# Altium PCB FPGA_PCB.PcbDoc (part 1 of 2) (continued)
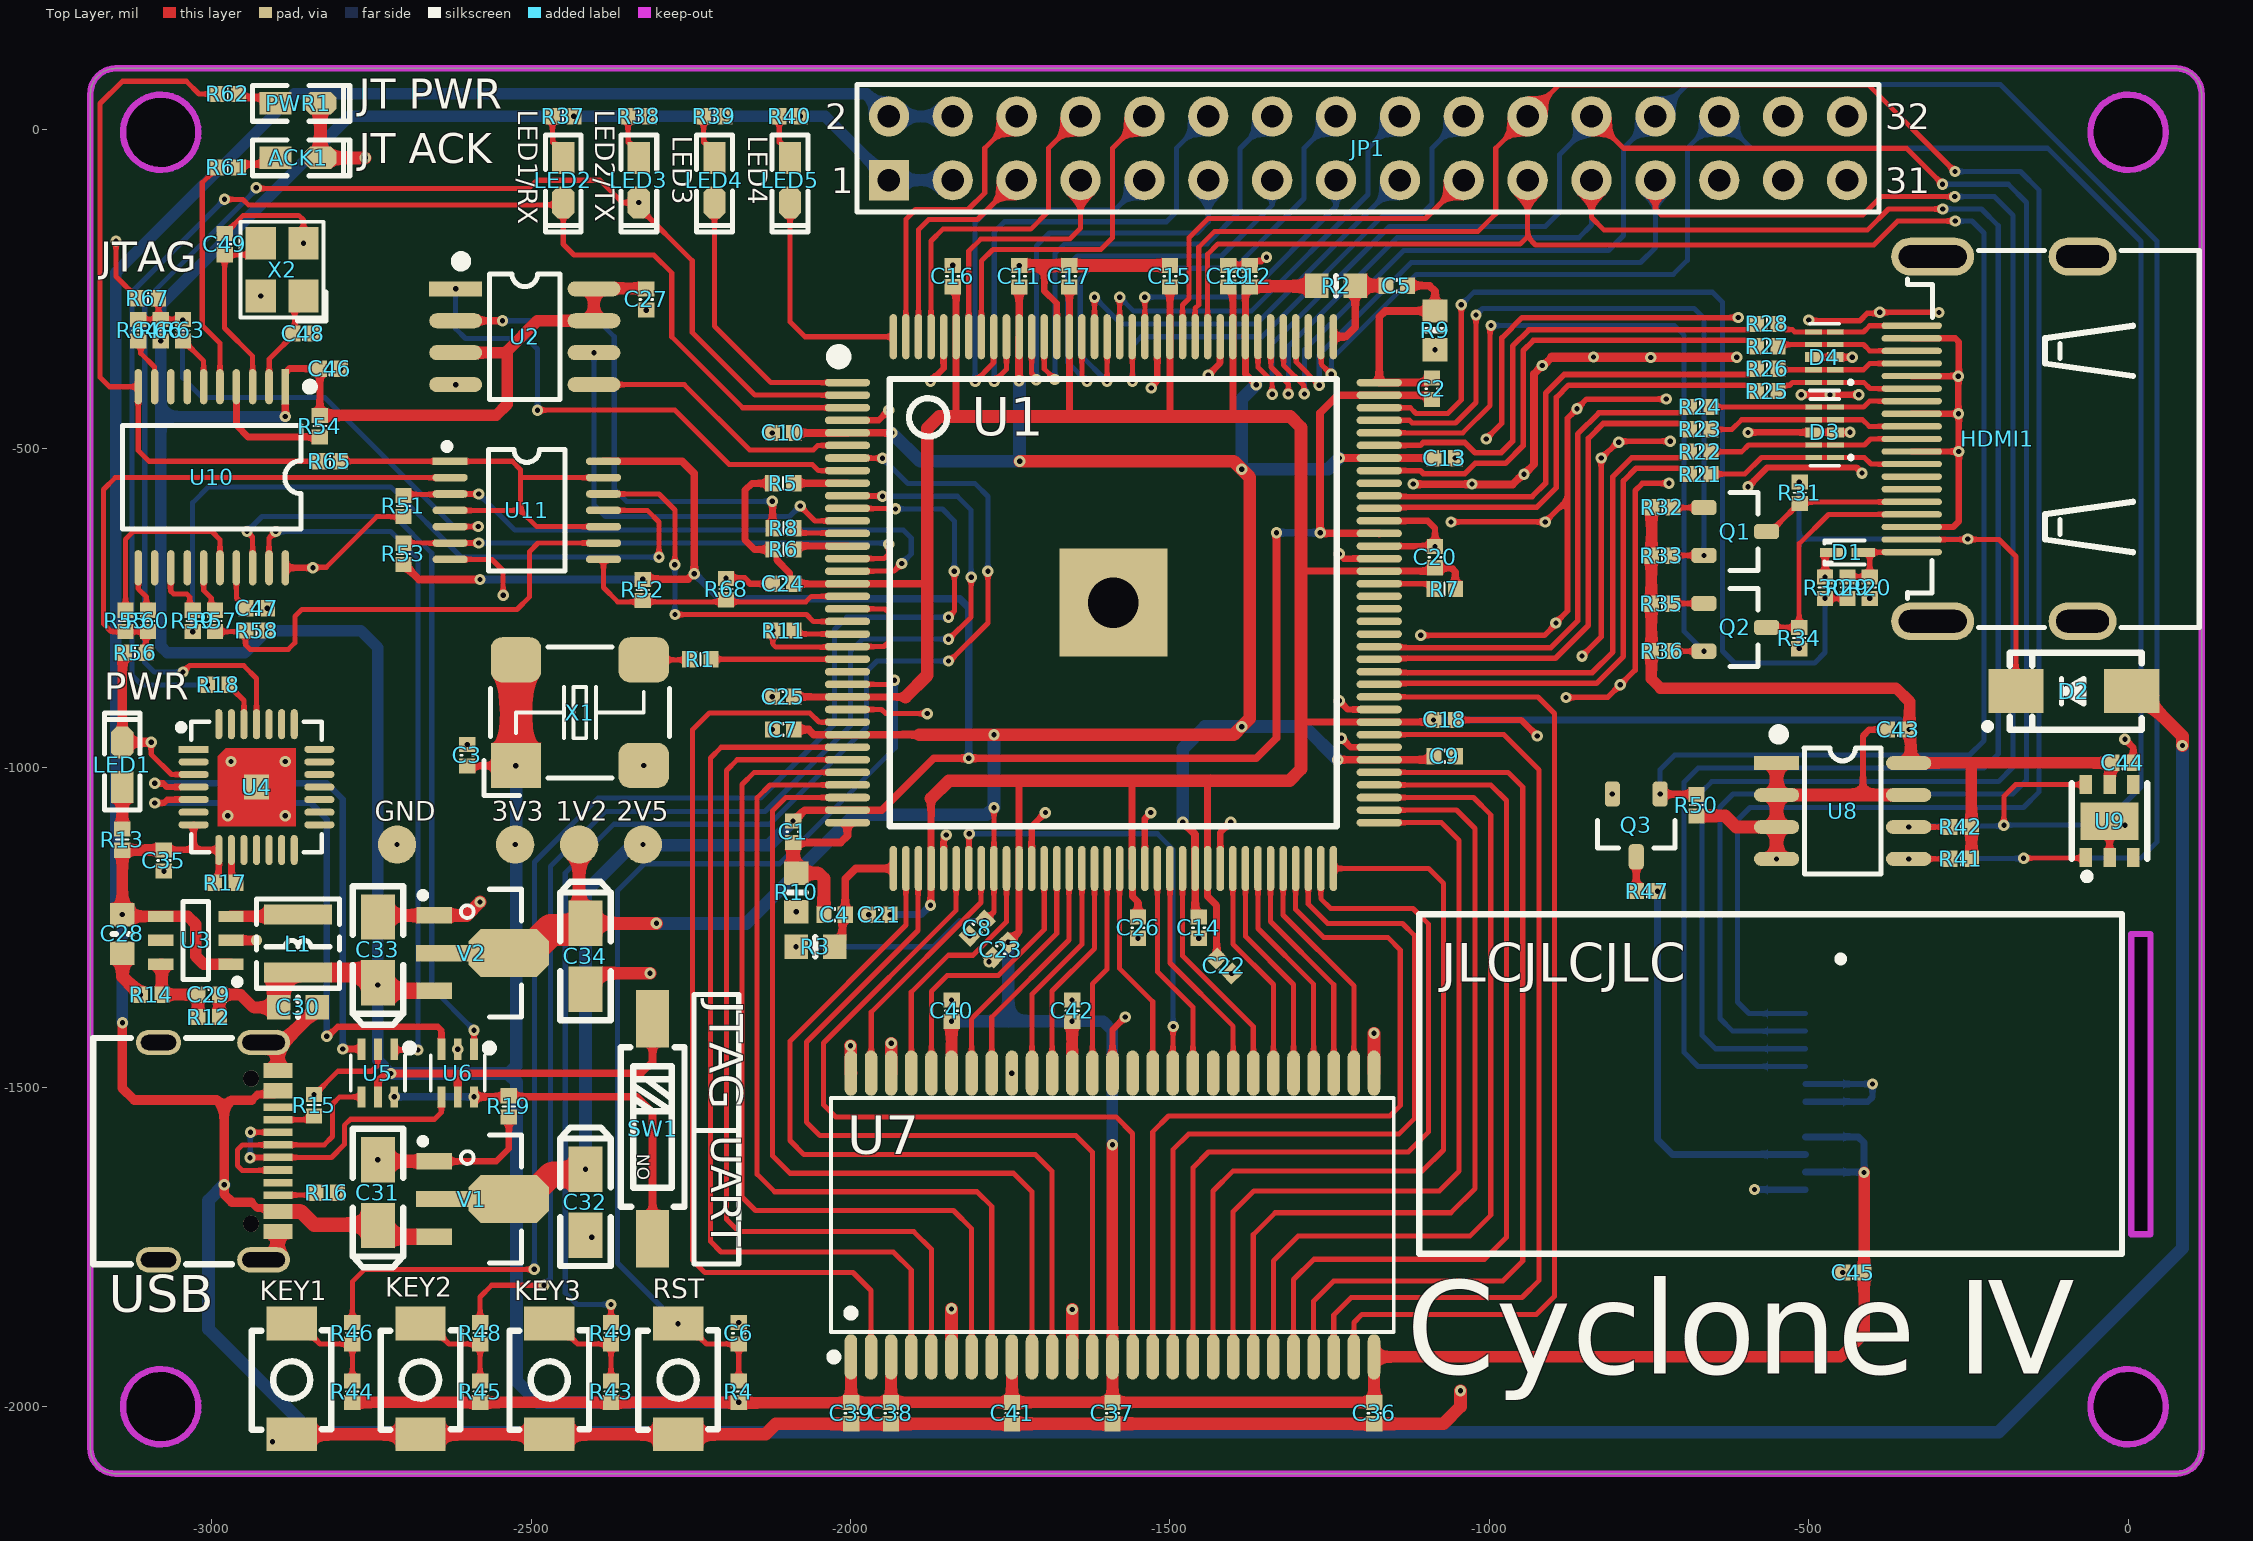
[diagram p0: Top Layer view]
## Components (designator, comment, footprint, x,y, rotation, side; value= is the part's Value field where it differs from the comment) (continued)
R27 "0R" 0402_R -565,-340 r180 top
R28 "0R" 0402_R -565,-305 r180 top
R29 "20K" 0402_R -439.4,-717.78 r270 top
R30 "20K" 0402_R -474.4,-717.78 r90 top
R31 "2.2K" 0402_R -514.25,-569.25 r90 top
R32 "10K" 0402_R -728.98,-592.1 r180 top
R33 "2.2K" 0402_R -729.7,-668.06 r180 top
R34 "2.2K" 0402_R -515.02,-796.8 r270 top
R35 "10K" 0402_R -729.72,-743.01 r180 top
R36 "2.2K" 0402_R -729.34,-817.09 r180 top
R37 "1K" 0402_R -2450,20 r0 top
R38 "1K" 0402_R -2331.67,20 r0 top
R39 "1K" 0402_R -2213.33,20 r0 top
R40 "1K" 0402_R -2095,20 r0 top
R41 "10K" 0402_R -261.93,-1142.5 r180 top
R42 "10K" 0402_R -261.93,-1092.5 r180 top
R43 "10K" 0402_R -2375,-1976.57 r90 top
R44 "10K" 0402_R -2780,-1976.57 r270 top
R45 "10K" 0402_R -2580,-1976.57 r270 top
R46 "220R" 0402_R -2780,-1885 r90 top
R47 "10R" 0402_R -753.07,-1192.84 r0 top
R48 "220R" 0402_R -2580,-1885 r90 top
R49 "220R" 0402_R -2375,-1885 r90 top
R50 "10K" 0402_R -675.76,-1058.29 r90 top
R51 "1K" 0402_R -2700,-590 r270 top
R52 "10K" 0402_R -2325.17,-721.5 r90 top
R53 "10K" 0402_R -2700,-665 r270 top
R54 "10K" 0402_R -2830.75,-465 r270 top
R55 "220R" 0402_R -3135,-770 r270 top
R56 "100K" 0402_R -3120,-820 r180 top
R57 "220R" 0402_R -2995,-770 r270 top
R58 "100K" 0402_R -2930,-785 r0 top
R59 "220R" 0402_R -3030,-770 r270 top
R60 "220R" 0402_R -3100,-770 r270 top
R61 "1K" 0402_R -2975,-60 r180 top
R62 "1K" 0402_R -2975,55 r180 top
R63 "220R" 0402_R -3045,-315 r90 top
R64 "220R" 0402_R -3115,-315 r90 top
R65 "22R" 0402_R -2815,-520 r180 top
R66 "100K" 0402_R -3080,-315 r270 top
R67 "100K" 0402_R -3100,-265 r180 top
R68 "100K" 0402_R -2195,-720 r90 top
RST "3x6x5" SW -2270,-2043.24 r90 top
SW1 "CSW-1P" SW-SMD_DSIC01LSGET -2310,-1565 r180 top
U1 "EP4CE6E22C8" "EQFP144 20X20_N" -1588.58,-741.26 r0 top
U2 "EPCS4N EPCS16" SOP8_M -2510,-325 r0 top
U3 "MT3420B" SOT23-6L -3025,-1270 r90 top
U4 "CP2102" "QFN28 5x5_N" -2930,-1030 r270 top value=Value
U5 "SGM3157" SC-70-6_L2.2-W1.3-P0.65-LS2.2-BR -2740,-1477.77 r90 top
U6 "SGM3157" SC-70-6_L2.2-W1.3-P0.65-LS2.2-BR -2615,-1477.77 r90 top
U7 "HY57V641620" TSOP-54_L22.2-W10.2-P0.80-LS11.8-BL -1565,-1700 r90 top
U8 "AT24C02" SOP8_N -446.93,-1067.5 r0 top
U9 "SHT20" DFN-6_L3.0-W3.0-P0.95-TR-EP -29.05,-1083.38 r180 top
U10 "PIC18F14K50-I/SS" SSOP20_L -3000,-545 r270 top
U11 "74LVC125A" TSSOP14_N -2506.83,-596.79 r0 top
USB "Type-C" Type-C-TOP -2990,-1600 r270 top (schematic designator USB1)
V1 "AMS1117-2V5" SOT89_N -2575,-1675 r270 top
V2 "AMS1117-1V2" SOT89_N -2575,-1290 r270 top
X1 "50MHz" "OSC 7050-4P" -2423.77,-913.51 r0 top
X2 "12M" "OSC 3225-4P" -2890,-220 r90 top

## Footprints (in the part's own frame and the unit in brackets; to place one, negate y for a bottom-side part, rotate by r counter-clockwise, add the part's x,y. Pads: shape width x height; smd on the part's side, far side on the other; paste and mask are expansions set on the pad)
0.78_TFT_LCD [mm]
  rect 0.4x3 smd far side: 1(3.8,-0.635) 2(3.1,-0.635) 3(2.4,-0.635) 4(1.7,-0.635) 5(1,-0.635) 6(0.3,-0.635) 7(-0.4,-0.635) 8(-1.1,-0.635) 9(-1.8,-0.635) 10(-2.5,-0.635) 11(-3.2,-0.635) 12(-3.9,-0.635) 13(-4.6,-0.635)
  silkscreen extent -7.15,-13.22 6.35,14.73
0402_C [mm]
  rect 0.6x0.65 smd mask+0.051: 1(-0.425,0) 2(0.425,0)
  silkscreen extent 0,-0.25 0,0.26, body extent -0.48,-0.3 0.52,0.3, height 0.2
0402_R [mm]
  rect 0.6x0.65 smd mask+0.051: 1(-0.425,0) 2(0.425,0)
  silkscreen extent 0,-0.25 0,0.25, body extent -0.57,-0.27 0.58,0.28, height 0.41
"0603_C _MINI" [mm]
  rect 0.93x0.98 smd: 1(-0.77,0) 2(0.77,0)
  silkscreen extent 0,-0.38 0,0.38, body extent -0.8,-0.4 0.8,0.4, height 0.3
"0603_R _MINI" [mm]
  rect 0.93x0.98 smd: 1(-0.77,0) 2(0.77,0)
  silkscreen extent 0,-0.38 0,0.38, body extent -0.85,-0.4 0.85,0.4, height 0.56
CASE-A_3216 [mm]
  rect 1.8x1.35 smd: 1(1.31,0) 2(-1.31,0)
  silkscreen extent -2.54,-1 2.97,1, body extent -1.7,-0.84 1.7,0.84, height 1.71
DFN2510-10_L2.5-W1.0-P0.50-BL [mm]
  rect 0.2x0.665 smd paste-100 mask+0.051: 1(-1,-0.433) 2(-0.5,-0.433) 4(0.5,-0.433) 5(1,-0.433) 6(1,0.433) 7(0.5,0.433) 9(-0.5,0.433) 10(-1,0.433)
  rect 0.4x0.665 smd paste-100 mask+0.051: 3(0,-0.433) 8(0,0.433)
  silkscreen extent -1.33,-1.12 1.33,0.58, body extent -1.25,-0.51 1.25,0.51, height 0.52
DFN-6_L3.0-W3.0-P0.95-TR-EP [mm]
  rect 0.5x0.75 smd paste+0 mask+0.051: 1(0.95,1.452) 2(0,1.451) 3(-0.95,1.45) 4(-0.95,-1.451) 5(0,-1.452) 6(0.95,-1.451)
  rect 2.3x1.5 smd paste+0 mask+0.051: 7(0.004,-0.001)
  silkscreen extent -1.5,-1.5 1.5,2.34, body extent -1.5,-1.51 1.48,1.49, height 1.01
"EQFP144 20X20_N" [mm] "144脚，体宽20x20mm，脚距0.5mm"
  oval 1.8x0.3 smd: 1(-10.573,8.75) 2(-10.573,8.25) 3(-10.573,7.75) 4(-10.573,7.25) 5(-10.573,6.75) 6(-10.573,6.25) 7(-10.573,5.75) 8(-10.573,5.25) 9(-10.573,4.75) 10(-10.573,4.25) 11(-10.573,3.75) 12(-10.573,3.25) 13(-10.573,2.75) 14(-10.573,2.25) 15(-10.573,1.75) 16(-10.573,1.25) 17(-10.573,0.75) 18(-10.573,0.25) 19(-10.573,-0.25) 20(-10.573,-0.75) 21(-10.573,-1.25) 22(-10.573,-1.75) 23(-10.573,-2.25) 24(-10.573,-2.75) 25(-10.573,-3.25) 26(-10.573,-3.75) 27(-10.573,-4.25) 28(-10.573,-4.75) 29(-10.573,-5.25) 30(-10.573,-5.75) 31(-10.573,-6.25) 32(-10.573,-6.75) 33(-10.573,-7.25) 34(-10.573,-7.75) 35(-10.573,-8.25) 36(-10.573,-8.75) 73(10.573,-8.75) 74(10.573,-8.25) 75(10.573,-7.75) 76(10.573,-7.25) 77(10.573,-6.75) 78(10.573,-6.25) 79(10.573,-5.75) 80(10.573,-5.25) 81(10.573,-4.75) 82(10.573,-4.25) 83(10.573,-3.75) 84(10.573,-3.25) 85(10.573,-2.75) 86(10.573,-2.25) 87(10.573,-1.75) 88(10.573,-1.25) 89(10.573,-0.75) 90(10.573,-0.25) 91(10.573,0.25) 92(10.573,0.75) 93(10.573,1.25) 94(10.573,1.75) 95(10.573,2.25) 96(10.573,2.75) 97(10.573,3.25) 98(10.573,3.75) 99(10.573,4.25) 100(10.573,4.75) 101(10.573,5.25) 102(10.573,5.75) 103(10.573,6.25) 104(10.573,6.75) 105(10.573,7.25) 106(10.573,7.75) 107(10.573,8.25) 108(10.573,8.75)
  oval 0.3x1.8 smd: 37(-8.75,-10.573) 38(-8.25,-10.573) 39(-7.75,-10.573) 40(-7.25,-10.573) 41(-6.75,-10.573) 42(-6.25,-10.573) 43(-5.75,-10.573) 44(-5.25,-10.573) 45(-4.75,-10.573) 46(-4.25,-10.573) 47(-3.75,-10.573) 48(-3.25,-10.573) 49(-2.75,-10.573) 50(-2.25,-10.573) 51(-1.75,-10.573) 52(-1.25,-10.573) 53(-0.75,-10.573) 54(-0.25,-10.573) 55(0.25,-10.573) 56(0.75,-10.573) 57(1.25,-10.573) 58(1.75,-10.573) 59(2.25,-10.573) 60(2.75,-10.573) 61(3.25,-10.573) 62(3.75,-10.573) 63(4.25,-10.573) 64(4.75,-10.573) 65(5.25,-10.573) 66(5.75,-10.573) 67(6.25,-10.573) 68(6.75,-10.573) 69(7.25,-10.573) 70(7.75,-10.573) 71(8.25,-10.573) 72(8.75,-10.573) 109(8.75,10.573) 110(8.25,10.573) 111(7.75,10.573) 112(7.25,10.573) 113(6.75,10.573) 114(6.25,10.573) 115(5.75,10.573) 116(5.25,10.573) 117(4.75,10.573) 118(4.25,10.573) 119(3.75,10.573) 120(3.25,10.573) 121(2.75,10.573) 122(2.25,10.573) 123(1.75,10.573) 124(1.25,10.573) 125(0.75,10.573) 126(0.25,10.573) 127(-0.25,10.573) 128(-0.75,10.573) 129(-1.25,10.573) 130(-1.75,10.573) 131(-2.25,10.573) 132(-2.75,10.573) 133(-3.25,10.573) 134(-3.75,10.573) 135(-4.25,10.573) 136(-4.75,10.573) 137(-5.25,10.573) 138(-5.75,10.573) 139(-6.25,10.573) 140(-6.75,10.573) 141(-7.25,10.573) 142(-7.75,10.573) 143(-8.25,10.573) 144(-8.75,10.573)
  rect 4.3x4.3 smd: 145(0,0)
  silkscreen extent -11.17,-8.89 8.89,10.03, body extent -11,-11 11,11, height 1.45
HDMI-SMD_HDMI-019S [mm]
  oval 0.25x2.4 smd paste-100 mask+0.051: 1(4.501,3.396) 2(4.001,3.396) 3(3.501,3.396) 4(3.001,3.396) 5(2.5,3.396) 6(2,3.396) 7(1.5,3.396) 8(1,3.396) 9(0.5,3.396) 10(0,3.396) 11(-0.5,3.396) 12(-1,3.396) 13(-1.5,3.396) 14(-2,3.396) 15(-2.5,3.396) 16(-3.001,3.396) 17(-3.501,3.396) 18(-4.001,3.396) 19(-4.501,3.396)
  oval 1.5x2.7 hole 0.9 slot 2.1 at 90 deg copper offset 0.001,-0.001 paste+0 mask+0.051: 20(7.249,-3.395)
  oval 1.5x2.7 hole 0.9 slot 2.1 at 90 deg copper offset -0.001,-0.001 paste+0 mask+0.051: 21(-7.249,-3.395)
  oval 1.5x3.3 hole 0.9 slot 2.7 at 90 deg copper offset 0.001,-0.001 paste+0 mask+0.051: 22(7.249,2.564)
  oval 1.5x3.3 hole 0.9 slot 2.7 at 90 deg copper offset -0.001,-0.001 paste+0 mask+0.051: 23(-7.249,2.564)
  silkscreen extent -7.5,-8.04 7.5,3.56, body extent -7.49,-7.98 7.51,3.92, height 5.71
HDR2.54-LI-2x16P [mm] "双排排针，16x2脚"
  rect 1.6x1.6 hole 0.9: 1(-19.05,-1.27)
  round 1.6 hole 0.9: 2(-19.05,1.27) 3(-16.51,-1.27) 4(-16.51,1.27) 5(-13.97,-1.27) 6(-13.97,1.27) 7(-11.43,-1.27) 8(-11.43,1.27) 9(-8.89,-1.27) 10(-8.89,1.27) 11(-6.35,-1.27) 12(-6.35,1.27) 13(-3.81,-1.27) 14(-3.81,1.27) 15(-1.27,-1.27) 16(-1.27,1.27) 17(1.27,-1.27) 18(1.27,1.27) 19(3.81,-1.27) 20(3.81,1.27) 21(6.35,-1.27) 22(6.35,1.27) 23(8.89,-1.27) 24(8.89,1.27) 25(11.43,-1.27) 26(11.43,1.27) 27(13.97,-1.27) 28(13.97,1.27) 29(16.51,-1.27) 30(16.51,1.27) 31(19.05,-1.27) 32(19.05,1.27)
  silkscreen extent -20.32,-2.54 20.32,2.54, body extent -20.32,-2.54 20.32,2.54, height 8.5
"LED 0603B" [mil] "蓝色0603LED"
  rect 50x35 smd: 1(-35,0.26)
  oct 50x35 smd: 2(35,0.26)
  silkscreen extent -71,-28 81,28, body extent -31,-16 32,16, height 24
"LED 0603G" [mil] "绿色0603LED"
  rect 50x35 smd: 1(-35,0.26)
  oct 50x35 smd: 2(35,0.26)
  silkscreen extent -71,-28 81,28, body extent -31,-16 32,16, height 18
"LED 0603R" [mil] "红色0603LED"
  rect 50x35 smd: 1(-35,0.26)
  oct 50x35 smd: 2(35,0.26)
  silkscreen extent -71,-28 81,28, body extent -31,-16 31,16, height 18
NR3015 [mm] "3.0mm*3.0mm*1.5mm(长*宽*高）"
  rect 0.8x2.7 smd: 1(-1.15,0) 2(1.15,0)
  silkscreen extent -1.78,-1.65 1.78,1.65, body extent -1.5,-1.5 1.5,1.5, height 1.6
"OSC 3225-4P" [mm] "3.2*2.5*0.7mm(长宽高)"
  rect 1.3x1.2 smd: 1(-1.05,-0.85) 2(1.05,-0.85) 3(1.05,0.85) 4(-1.05,0.85)
  silkscreen extent -2.03,-1.75 1.91,1.65, body extent -1.6,-1.25 1.6,1.25, height 0.7
"OSC 7050-4P" [mm] "7mm*5mm*1.3mm(长*宽*高)"
  rect 2x1.8 smd: 1(-2.54,-2.1)
  rrect50% 2x1.8 smd: 2(2.54,-2.1) 3(2.54,2.1) 4(-2.54,2.1)
  silkscreen extent -3.81,-3.3 3.56,2.61, body extent -3.5,-2.5 3.5,2.5, height 1.36
"QFN28 5x5_N" [mm] "28脚，长x宽x高：5x5x0.8mm，脚距：0.5mm"
  rect 0.28x1.2 smd: 1(-1.5,-2.5)
  oval 0.28x1.2 smd: 2(-1,-2.5) 3(-0.5,-2.5) 4(0,-2.5) 5(0.5,-2.5) 6(1,-2.5) 7(1.5,-2.5) 15(1.5,2.5) 16(1,2.5) 17(0.5,2.5) 18(0,2.5) 19(-0.5,2.5) 20(-1,2.5) 21(-1.5,2.5)
  oval 1.2x0.28 smd: 8(2.5,-1.5) 9(2.5,-1) 10(2.5,-0.5) 11(2.5,0) 12(2.5,0.5) 13(2.5,1) 14(2.5,1.5) 22(-2.5,1.5) 23(-2.5,1) 24(-2.5,0.5) 25(-2.5,0) 26(-2.5,-0.5) 27(-2.5,-1) 28(-2.5,-1.5)
  rect 1x1 smd: 29(0,0)
  Top Layer region: -1.55,1.55 1.55,1.55 1.55,-1.55 -1.225,-1.55 -1.55,-1.225
  silkscreen extent -2.6,-3.12 2.6,2.6, body extent -2.51,-2.51 2.51,2.51, height 0.75
SC-70-6_L2.2-W1.3-P0.65-LS2.2-BR [mm]
  rect 0.841x0.315 smd mask+0.051: 1(0.946,-0.65) 2(0.946,0) 3(0.946,0.65) 4(-0.946,0.65) 5(-0.946,0) 6(-0.946,-0.65)
  silkscreen extent -0.7,-1.41 1.15,1.08, body extent -1.05,-1.01 1.05,0.99, height 1
SMA [mm] "4.5x2.6*2.2mm（长宽高，不包括引脚）"
  rect 2.2x1.75 smd: 1(-2.3,0) 2(2.3,0)
  silkscreen extent -2.7,-1.52 3.56,1.52, body extent -2.53,-1.3 2.58,1.3, height 2.15
SOD-523_L1.2-W0.8-LS1.6-RD [mm]
  rect 0.93x0.36 smd mask+0.051: 1(-0.635,0) 2(0.635,0)
  silkscreen extent -0.91,-0.55 0.68,0.55, body extent -0.9,-0.4 0.7,0.4, height 0.68
SOP8_M [mm] "5*6*1.8mm（长宽高）"
  rect 2.1x0.6 smd: 1(-2.75,1.905)
  oval 2.1x0.6 smd: 2(-2.75,0.635) 3(-2.75,-0.635) 4(-2.75,-1.905) 5(2.75,-1.905) 6(2.75,-0.635) 7(2.75,0.635) 8(2.75,1.905)
  silkscreen extent -2.69,-2.5 1.4,3.15, body extent -3,-2.5 3,2.5, height 1.9
SOP8_N [mm] "5*6*1.8mm（长宽高）"
  rect 1.8x0.55 smd: 1(-2.625,1.905)
  oval 1.8x0.55 smd: 2(-2.625,0.635) 3(-2.625,-0.635) 4(-2.625,-1.905) 5(2.625,-1.905) 6(2.625,-0.635) 7(2.625,0.635) 8(2.625,1.905)
  silkscreen extent -2.69,-2.5 1.52,3.2, body extent -3,-2.5 3,2.5, height 1.9
SOT23-3 [mm] "SOT23, 3-Leads, Body 3.1x3.0mm (max), Pitch 0.95mm, IPC Medium Density"
  rrect50% 1x0.6 smd: 1(-1.246,0.95) 2(-1.246,-0.95) 3(1.246,0)
  silkscreen extent -0.2,-1.55 0.9,1.55, body extent -1.3,-1.45 1.5,1.45, height 1.2
SOT23-6L [mm] "3x1.6x1.1mm(长宽高)"
  rect 0.45x1 smd: 1(-0.95,-1.397) 2(0,-1.397) 3(0.95,-1.397) 4(0.95,1.397) 5(0,1.397) 6(-0.95,1.397)
  silkscreen extent -1.77,-1.78 1.55,0.51, body extent -1.5,-1.4 1.5,1.4, height 1.15
SOT89_N [mm] "4.6x4.3x1.6mm(长宽高)"
  rect 0.65x1.4 smd: 1(-1.5,-1.952) 3(1.5,-1.952)
  oct 1.9x3.2 smd: 2(0,1.016)
  rect 0.65x2.1 smd: 2(0,-1.626)
  silkscreen extent -2.54,-2.52 2.54,1.52, body extent -2.3,-2.4 2.3,1.9, height 1.6
SSOP20_L [mm] "7.2*7.8*1.6（长宽高）"
  rect 1.4x0.3 smd: 1(-3.6,2.925)
  oval 1.4x0.3 smd: 2(-3.6,2.275) 3(-3.6,1.625) 4(-3.6,0.975) 5(-3.6,0.325) 6(-3.6,-0.325) 7(-3.6,-0.975) 8(-3.6,-1.625) 9(-3.6,-2.275) 10(-3.6,-2.925) 11(3.6,-2.925) 12(3.6,-2.275) 13(3.6,-1.625) 14(3.6,-0.975) 15(3.6,-0.325) 16(3.6,0.325) 17(3.6,0.975) 18(3.6,1.625) 19(3.6,2.275) 20(3.6,2.925)
  silkscreen extent -3.73,-3.56 2.06,4.03, body extent -3.85,-3.6 3.85,3.6, height 1.65
SW [mm]
  rect 1.35x2 smd mask+0.051: 1(0,0) 2(4.4,0)
  silkscreen extent 0.18,-1.58 4.13,1.58, body extent -0.34,-1.48 4.66,1.52, height 2
SW-SMD_DSIC01LSGET [mm]
  rect 1.3x2.3 smd paste+0 mask+0.051: 1(0,4.375) 2(0,-4.375)
  silkscreen extent -1.27,-3.24 1.27,3.11, body extent -1.27,-4.65 1.27,4.65, height 3.85
TSOP-54_L22.2-W10.2-P0.80-LS11.8-BL [mm]
  oval 1.8x0.5 smd paste+0 mask+0.051: 1(-5.642,11.035) 2(-5.642,10.235) 3(-5.642,9.435) 4(-5.642,8.635) 5(-5.642,7.835) 6(-5.642,7.035) 7(-5.642,6.235) 8(-5.642,5.435) 9(-5.642,4.635) 10(-5.642,3.835) 11(-5.642,3.035) 12(-5.642,2.235) 13(-5.642,1.435) 14(-5.642,0.635) 15(-5.642,-0.165) 16(-5.642,-0.965) 17(-5.642,-1.765) 18(-5.642,-2.565) 19(-5.642,-3.365) 20(-5.642,-4.165) 21(-5.642,-4.965) 22(-5.642,-5.765) 23(-5.642,-6.565) 24(-5.642,-7.365) 25(-5.642,-8.165) 26(-5.642,-8.965) 27(-5.642,-9.765) 28(5.642,-9.765) 29(5.642,-8.965) 30(5.642,-8.165) 31(5.642,-7.365) 32(5.642,-6.565) 33(5.642,-5.765) 34(5.642,-4.965) 35(5.642,-4.165) 36(5.642,-3.365) 37(5.642,-2.565) 38(5.642,-1.765) 39(5.642,-0.965) 40(5.642,-0.165) 41(5.642,0.635) 42(5.642,1.435) 43(5.642,2.235) 44(5.642,3.035) 45(5.642,3.835) 46(5.642,4.635) 47(5.642,5.435) 48(5.642,6.235) 49(5.642,7.035) 50(5.642,7.835) 51(5.642,8.635) 52(5.642,9.435) 53(5.642,10.235) 54(5.642,11.035)
  silkscreen extent -5.79,-10.55 4.65,11.86, body extent -5.9,-10.43 5.89,11.73, height 1.1
TSSOP14_N [mm] "5*6.4*1mm（长宽高）"
  rect 1.4x0.3 smd: 1(-3.05,1.95)
  oval 1.4x0.3 smd: 2(-3.05,1.3) 3(-3.05,0.65) 4(-3.05,0) 5(-3.05,-0.65) 6(-3.05,-1.3) 7(-3.05,-1.95) 8(3.05,-1.95) 9(3.05,-1.3) 10(3.05,-0.65) 11(3.05,0) 12(3.05,0.65) 13(3.05,1.3) 14(3.05,1.95)
  silkscreen extent -3.3,-2.41 1.52,2.67, body extent -3.2,-2.5 3.2,2.5, height 1.03
Type-C-TOP [mm]
  oval 1x2.1 hole 0.6 slot 1.7 at 90 deg: 1(-4.32,1.808) 2(4.32,1.808)
  oval 1x1.8 hole 0.6 slot 1.4 at 90 deg: 3(-4.32,-2.372) 4(4.32,-2.372)
  rect 0.6x1.15 smd: A1B12(-3.2,2.373) A4B9(-2.4,2.373) B1A12(3.2,2.373) B4A9(2.4,2.373)
  rect 0.3x1.15 smd: A5(-1.25,2.373) A6(-0.25,2.373) A7(0.25,2.373) A8(1.25,2.373) B5(1.75,2.373) B6(0.75,2.373) B7(-0.75,2.373) B8(-1.75,2.373)
  round 0.65 hole 0.65 unplated: ""(-2.89,1.307) ""(2.89,1.307)
  silkscreen extent -4.5,-4.97 4.5,0.55, body extent -4.47,-4.95 4.47,2.8, height 3.26

## Part data
ACK1 LED3: library part 0603_LED_G, "贴片LED", BOM名称=贴片LED, 学习资源=www.ooocke.com, 版权归属=源创客
C1 C2 C3 C4 C5 C6 C7 C8 C9 C10 C11 C12 C13 C14 C15 C16 C17 C18 C19 C20 C21 C22 C23 C24 C25 C26 C27 C29 C35 C36 C37 C38 C39 C40 C41 C42 C43 C44 C45 C46 C47 C48 C49: library part 0402_C, "贴片电容", Package=0402, SuppliersPartNumber=C1576, ComponentLink1Description=供应商链接, ComponentLink1URL=http://www.szlcsc.com/product/details_1928.html, Supplier=LC
C28 C30: library part 0603_C_MINI, "贴片电容", Package=0603, SuppliersPartNumber=C1685, ComponentLink1Description=供应商链接, ComponentLink1URL=http://www.szlcsc.com/product/details_2037.html, Supplier=LC
C31 C32 C33 C34: library part 3216_C, "贴片钽电容", Package=3528, SuppliersPartNumber=C16133, ComponentLink1Description=供应商链接, ComponentLink1URL=http://www.szlcsc.com/product/details_16815.html, Supplier=LC
D1: library part 1N5819, "肖特基二极管", BOM名称=肖特基二极管, 学习资源=www.ooocke.com, 属性=40V/2A, 版权归属=源创客
D2: "肖特基二极管", BOM名称=肖特基二极管, 学习资源=www.ooocke.com, 属性=40V/3A, 版权归属=源创客
D3 D4: "反向截止电压(Vrwm):5V;击穿电压:6V;最大钳位电压:12V;", Breakdown Voltage=6V, JLCPCB Part Class="Extended Part", Manufacturer=AMAZING(晶焱), Maximum Clamping Voltage=12V, Peak Pulse Current (Ipp)@10/1000μs=3.5A@8/20us, Reverse Stand-Off Voltage (Vrwm)=5V, Add into BOM=yes, Convert to PCB=yes, Datasheet=https://atta.szlcsc.com/upload/public/pdf/source/20190802/C356811_0B9EAE80F3B7F983A0CAF91AEAB45A28.pdf, Device=AZ1045-04F.R7G, LCSC Part Name=AZ1045-04F.R7G, Manufacturer Part=AZ1045-04F.R7G, Name=AZ1045-04F.R7G, Supplier=LCSC, Supplier Footprint=DFN-10(1x2.5), Supplier Part=C356811, Symbol=AZ1045-04F.R7G
HDMI1: "连接器类型:HDMI;公母:母;总PIN位数:19;排数:-;安装方式:卧贴;额定电流:500mA;工作温度范围:-25℃~+75℃;", Current Rating (Max)=500mA, JLCPCB Part Class="Extended Part", LCSC Part Name="HDMI 母 P数:19", Manufacturer=SOFNG(硕方), Operating Temperature Range=-25℃~+75℃, Add into BOM=yes, Connector Type=HDMI, Convert to PCB=yes, Datasheet=https://atta.szlcsc.com/upload/public/pdf/source/20200911/C111617_84DD1BD35B9EB8A28224A63520745D0A.pdf, Device=HDMI-019S, Gender=母, Manufacturer Part=HDMI-019S, Mounting Style=卧贴, Name=HDMI-019S, Number of Pins=19, Number of Rows=-, Supplier=LCSC, Supplier Footprint=SMD, Supplier Part=C111617, Symbol=HDMI-019S
JP1: library part "Header 16X2_2.54", "16*2P接插件", BOM名称=16*2P接插件, 学习资源=www.ooocke.com, 版权归属=源创客
KEY1 KEY2 KEY3 RST: library part "TSW 3x6", "3x6轻触开关", BOM名称=3x6轻触开关, 学习资源=www.ooocke.com, 版权归属=源创客
L1: library part L
LED1 LED4 LED5 PWR1: library part 0603_LED_R, "贴片LED", BOM名称=贴片LED, 学习资源=www.ooocke.com, 版权归属=源创客
LED2: library part 0603_LED_B, "贴片LED", BOM名称=贴片LED, 学习资源=www.ooocke.com, 版权归属=源创客
Q1 Q2 Q3: "N-MOS"
R1 R4 R5 R6 R7 R8 R11 R12 R13 R14 R15 R16 R17 R18 R19 R20 R21 R22 R23 R24 R25 R26 R27 R28 R29 R30 R31 R32 R33 R34 R35 R36 R37 R38 R39 R40 R41 R42 R43 R44 R45 R46 R47 R48 R49 R50 R51 R52 R53 R54 R55 R56 R57 R58 R59 R60 R61 R62 R63 R64 R65 R66 R67 R68: library part 0402_R, "贴片电阻", Package=0402, SuppliersPartNumber=C25924, ComponentLink1Description=供应商链接, ComponentLink1URL=http://www.szlcsc.com/product/details_26667.html, Supplier=LC
R2 R3 R9 R10: library part 0603_R_MINI, "贴片电阻", Package=0603, SuppliersPartNumber=C23260, ComponentLink1Description=供应商链接, ComponentLink1URL=http://www.szlcsc.com/product/details_23987.html, Supplier=LC
SW1: "1路编码开关", BOM名称=1路编码开关, 学习资源=www.ooocke.com, 版权归属=源创客
U1: "Cyclone IV Family FPGA, 2V Core, 91 I/O Pins, 2 PLLs, 144-Pin QFP, Speed Grade 8, Commercial Grade", Code_JEDEC=MS-026-BFB, ComponentLink1Description="Manufacturer Link", ComponentLink1URL=http://www.altera.com/, ComponentLink2Description=Handbook, ComponentLink2URL=http://www.altera.com/literature/hb/cyclone-iv/cyclone4-handbook.pdf, ComponentLink3Description="Pinout Specification", ComponentLink3URL=http://www.altera.com/literature/lit-dp.jsp?category=cyc%204&showspreadsheet=y, ComponentLink4Description="Packaging Specification", ComponentLink4URL=http://www.altera.com/literature/ds/dspkg.pdf, DatasheetVersion="ver1.2, Mar-2010", PackageDescription="144-Pin Plastic Enhanced Quad Flat Pack (EQFP144) - Wire Bond", PackageReference=EQFP144, PackageVersion="ver16.0, Dec-2009", Published=3-May-2010, Publisher="Altium Limited"
U2: library part EPCS1
U3: "DCDC"
U4: "USB转TTL", MFG #1="SILICON LABS", PART DESC="SINGLE-CHIP USB TO UART BRIDGE, QFN28, RoHS.", PART NUMBER=CP2102, RefDes=RefDes, Type=DEV
U5 U6: "模拟开关"
U9: "I2C接口，数字式温湿度传感器，电压范围: 2.1至3.6 V", JLCPCB Part Class="Extended Part", Manufacturer=Sensirion(瑞士盛思锐), Add into BOM=yes, Convert to PCB=yes, Datasheet=https://atta.szlcsc.com/upload/public/pdf/source/20151012/1457707445424.pdf, Device=SHT20, LCSC Part Name=SHT20, Manufacturer Part=SHT20, Name=SHT20, Supplier=LCSC, Supplier Footprint=DFN-6-EP(3x3), Supplier Part=C53865, Symbol=SHT20
U10: BOM_JLCPCB Part Class="Extended Part", BOM_Manufacturer=MICROCHIP, BOM_Manufacturer Part=PIC18F14K50-I/SS, BOM_Supplier=LCSC, BOM_Supplier Part=C12460, spicePre=U, spiceSymbolName=PIC18F14K50-I/SS
USB: library part USB-Type-C-TOP
V1 V2: library part AMS1117, "三端稳压芯片", BOM名称=稳压芯片, 学习资源=www.ooocke.com, 版权归属=源创客
X1: library part XTAL-ACT-4P, "4脚有源晶振", BOM名称=4脚有源晶振, 学习资源=www.ooocke.com, 版权归属=源创客
X2: library part XTAL-4P, "4脚无源晶振", BOM名称=4脚无源晶振, 学习资源=www.ooocke.com, 版权归属=源创客

## Free pads (board coordinates)
  round 60 smd: 1(-2710,-1120) 3(-2525,-1120) 4(-2425,-1120) 5(-2325,-1120)
  round 118.11 hole 78.74: 31(-1588.58,-741.26)

## Via types
v1: diameter 17.72, hole 8.27, Top Layer to Bottom Layer, tented both sides, 250 vias

## Nets (pads, with @x,y where several pads share a name; then routed paths per layer and width w, separated by ;. In a path a pad name is that pad's centre, name@x,y a point inside that pad or via, vN(x,y) a via of type N, cw(c..) or ccw(c..) an arc to the next point about the centre after c; other vN are vias at no path point)
1: LED4.2 U1.1 | length 438.3
  Top Layer w8: LED4.2@-2213.08,-115 -2213.08,-308.49 -2124.79,-396.77 U1.1@-2004.84,-396.77
2: LED3.2 U1.2 U4.25 | length 2221.8
  Top Layer w8: v1(-3045,-850) -3035,-840 -2950,-840 -2930,-860 U4.25@-2930,-931.57 ; v1(-2930.52,-91.78) -2929.25,-93.05 -2503.79,-93.05 -2490.75,-80 -2392.31,-80 -2357.31,-115 v1(-2331.41,-115) -2331.41,-122.5 -2247.92,-206 -2247.92,-318.19 -2149.65,-416.46 U1.2@-2004.84,-416.46
  Bottom Layer w8: v1(-3045,-850) -3090,-850 -3105,-835 -3105,-268.81 -2930.52,-94.32 v1(-2930.52,-91.78)
3: LED2.2 R18.2 U1.3 | length 2139.7
  Top Layer w8: v1(-2980,-110) -2951.26,-110 -2942.78,-118.48 -2453.22,-118.48 LED2.2@-2449.74,-115 -2449.74,-118.48 -2449.74,-179.74 -2450,-180 -2432.97,-197.03 -2307.97,-197.03 -2280,-225 -2280,-325 -2168.86,-436.14 U1.3@-2004.84,-436.14
  Bottom Layer w8: v1(-3006.73,-870) -3110,-870 -3125,-855 -3125,-255 v1(-2980,-110)
6: U1.6 U2.5 | length 442.2
  Top Layer w8: U2.5@-2401.73,-400 -2260.24,-400 -2157.98,-502.26 -2058.46,-502.26 -2051.39,-495.2 U1.6@-2004.84,-495.2
7: R49.2 U1.7 | length 2080.6
  Top Layer w8: R49.2@-2375,-1868.27 v1(-2375,-1840) ; U1.7@-2004.84,-514.88 -2004.68,-515.04 -1950.16,-515.04 v1(-1950,-515.2) ; v1@-1844.76,-832.79 -1785,-773.03 v1(-1785,-692.24)
  Bottom Layer w8: v1(-2375,-1840) -2428.4,-1840 -2446.68,-1821.72 -2446.68,-1164.4 -2370.57,-1088.28 -2126.95,-1088.28 -1975,-936.34 -1975,-849.12 -1958.67,-832.79 v1(-1846.7,-832.79) ; v1(-1950,-515.2) -1910.2,-555 -1805,-555 -1785,-575 v1(-1785,-692.24)
8: U1.8 U2.1 | length 823.9
  Top Layer w8: v1(-2490,-440) -2275,-440 -2190,-525 -2060,-525 -2050.43,-534.57 U1.8@-2004.84,-534.57
  Bottom Layer w8: v1(-2618.27,-250) -2618.27,-312.47 -2602.82,-327.92 -2506.46,-327.92 -2490,-344.38 v1(-2490,-440)
10: R48.2 U1.10 | length 2066.9
  Top Layer w8: R48.2@-2580,-1868.27 -2580,-1828.18 -2561.82,-1810 v1(-2480,-1810) ; U1.10@-2004.84,-573.94 -2004.43,-574.35 -1950.41,-574.35 v1(-1950,-574.76) ; v1@-1846.7,-799.19 -1811.23,-763.73 v1(-1811.23,-701.59)
  Bottom Layer w8: v1(-2480,-1810) -2470,-1800 -2470,-1154.22 -2383.89,-1068.12 -2134.16,-1068.12 -2000,-933.96 -2000,-817.08 -1981.41,-798.49 v1(-1846.7,-798.49) ; v1(-1950,-574.76) -1833.06,-574.76 -1811.23,-596.59 v1(-1811.23,-701.59)
11: R46.2 U1.11 | length 2218.7
  Top Layer w8: R46.2@-2780,-1868.27 -2780,-1804.36 -2760.64,-1785 v1(-2495,-1785) ; U1.11@-2004.84,-593.62 -2004.38,-594.09 -1930.17,-594.09 v1(-1929.7,-594.55) ; v1(-1846.7,-764.19) -1846.7,-763.85 -1837.5,-754.65 v1(-1837.5,-692.24)
  Bottom Layer w8: v1(-2495,-1785) -2495,-1147.17 -2395.12,-1047.29 -2140.86,-1047.29 -2025,-931.43 -2025,-783.26 -2005.94,-764.19 v1(-1846.7,-764.19) ; v1(-1929.7,-594.55) -1856.24,-594.55 -1837.5,-613.29 v1(-1837.5,-692.24)
13: R8.1 U1.13 | length 86.7
  Top Layer w8: R8.1@-2088.27,-625 -2081,-632.26 -2005.57,-632.26 U1.13@-2004.84,-632.99
24: U1.24
25: C6.2 R4.1 RST.2 U1.25 | length 1593.8
  Top Layer w8: v1(-2270,-1870) -2257.21,-1870 -2225.47,-1901.73 C6.2@-2175,-1901.73 R4.1@-2175,-1959.83 ; U1.25@-2004.84,-869.21 -1940.32,-869.21 -1933.77,-862.66 v1(-1931.14,-862.66)
  Bottom Layer w8: v1(-2270,-1870) -2365,-1775 -2365,-1192.24 -2322.76,-1150 -2111.44,-1150 -1930,-968.56 -1930,-863.8 v1(-1931.14,-862.66)
28: U1.28 U7.2 | length 1493.1
  Top Layer w8: U1.28@-2004.84,-928.27 -2049.6,-928.27 -2063.95,-913.92 -2221.08,-913.92 -2247.47,-940.31 -2247.47,-1770.64 -2228.1,-1790 -1996,-1790 -1967.95,-1818.05 U7.2@-1967.95,-1922.13
30: U1.30 U7.4 | length 1447.5
  Top Layer w8: U1.30@-2004.84,-967.64 -2202.64,-967.64 -2219.38,-984.38 -2219.38,-1741.22 -2202.88,-1757.72 -1933.01,-1757.72 -1904.96,-1785.77 U7.4@-1904.96,-1922.13
31: U1.31 U7.5 | length 1407.4
  Top Layer w8: U1.31@-2004.84,-987.32 -2177.32,-987.32 -2194.06,-1004.06 -2194.06,-1706.7 -2174.7,-1726.06 -1900.96,-1726.06 -1873.46,-1753.56 U7.5@-1873.46,-1922.13
32: U1.32 U7.7 | length 1399.4
  Top Layer w8: U1.32@-2004.84,-1007.01 -2150.73,-1007.01 -2169.92,-1026.2 -2169.92,-1671.88 -2148.86,-1692.94 -1838.94,-1692.94 -1810.47,-1721.42 U7.7@-1810.47,-1922.13
33: U1.33 U7.8 | length 1362.8
  Top Layer w8: U1.33@-2004.84,-1026.69 -2126.09,-1026.69 -2146.19,-1046.79 -2146.19,-1636.18 -2118.84,-1663.53 -1801.9,-1663.53 -1778.98,-1686.45 U7.8@-1778.98,-1922.13
34: U1.34 U7.10 | length 1354.1
  Top Layer w8: U1.34@-2004.84,-1046.38 -2101.46,-1046.38 -2122.09,-1067 -2122.09,-1607.2 -2094.75,-1634.54 -1744.85,-1634.54 -1715.98,-1663.41 U7.10@-1715.98,-1922.13
38: U1.38 U7.11 | length 1222.2
  Top Layer w8: U1.38@-1913.39,-1157.52 -1913.39,-1246.16 -2095,-1427.78 -2095,-1583.48 -2072.99,-1605.48 -1710.55,-1605.48 -1684.49,-1631.54 U7.11@-1684.49,-1922.13
39: U1.39 U7.13 | length 1257.2
  Top Layer w8: U1.39@-1893.7,-1157.52 -1894.43,-1158.25 -1894.43,-1254.42 -2068.98,-1428.97 -2068.98,-1554.6 -2048.1,-1575.48 -1647.51,-1575.48 -1621.5,-1601.5 U7.13@-1621.5,-1922.13
42: U1.42 U7.15 | length 1308.2
  Top Layer w8: U1.42@-1834.65,-1157.52 -1834.65,-1222.94 -2042.38,-1430.67 -2042.38,-1527.31 -2023.44,-1546.25 -1584.56,-1546.25 -1558.5,-1572.31 U7.15@-1558.5,-1922.13
43: U1.43 U7.38 | length 734.3
  Top Layer w8: U1.43@-1814.96,-1157.52 -1814.65,-1157.21 -1814.65,-1103.49 v1(-1814.33,-1103.17) ; U7.38@-1495.51,-1477.87 -1495.26,-1477.61 -1495.26,-1405.26 v1(-1495,-1405)
  Bottom Layer w8: v1(-1814.33,-1103.17) -1519.88,-1103.17 -1495,-1128.06 v1(-1495,-1405)
44: U1.44 U7.53 | length 391.9
  Top Layer w8: U7.53@-1967.95,-1477.87 -1967.66,-1477.58 -1967.66,-1382.47 -1796,-1210.81 -1796,-1158.25 U1.44@-1795.28,-1157.52
46: U1.46 U7.51 | length 404.7
  Top Layer w8: U7.51@-1904.96,-1477.87 -1904.96,-1351.3 -1846.93,-1293.27 -1808.36,-1293.27 -1755.91,-1240.81 U1.46@-1755.91,-1157.52
49: U1.49 U7.50 | length 440.3
  Top Layer w8: U7.50@-1873.46,-1477.87 -1873.46,-1349.84 -1848.73,-1325.11 -1768.82,-1325.11 -1696.85,-1253.13 U1.49@-1696.85,-1157.52
50: U1.50 U7.48 | length 375.6
  Top Layer w8: U7.48@-1810.47,-1477.87 -1810.47,-1392.43 -1677.17,-1259.12 U1.50@-1677.17,-1157.52
51: U1.51 U7.47 | length 370.7
  Top Layer w8: U7.47@-1778.98,-1477.87 -1778.98,-1390.37 -1658.21,-1269.6 -1658.21,-1158.25 U1.51@-1657.48,-1157.52
52: U1.52 U7.45 | length 352.7
  Top Layer w8: U7.45@-1715.98,-1477.87 -1715.98,-1354.3 -1637.8,-1276.12 U1.52@-1637.8,-1157.52
53: U1.53 U7.44 | length 347.8
  Top Layer w8: U7.44@-1684.49,-1477.87 -1684.49,-1349.35 -1618.11,-1282.97 U1.53@-1618.11,-1157.52
54: U1.54 U7.42 | length 329.9
  Top Layer w8: U7.42@-1621.5,-1477.87 -1621.5,-1338.37 -1598.43,-1315.29 U1.54@-1598.43,-1157.52
55: U1.55 U7.39 | length 341.8
  Top Layer w8: U1.55@-1578.74,-1157.52 -1578.74,-1314.34 -1527.01,-1366.07 U7.39@-1527.01,-1477.87
58: U1.58 U7.37 | length 343.4
  Top Layer w8: U1.58@-1519.69,-1157.52 -1519.69,-1319.13 -1464.02,-1374.8 U7.37@-1464.02,-1477.87
59: U1.59 U7.35 | length 361.3
  Top Layer w8: U1.59@-1500,-1157.52 -1500,-1305.62 -1401.02,-1404.6 U7.35@-1401.02,-1477.87
60: U1.60 U7.34 | length 366.2
  Top Layer w8: U1.60@-1480.31,-1157.52 -1480.31,-1294.1 -1369.53,-1404.88 U7.34@-1369.53,-1477.87
64: U1.64 U7.33 | length 346.7
  Top Layer w8: U1.64@-1401.57,-1157.52 -1401.57,-1275.6 -1338.03,-1339.15 U7.33@-1338.03,-1477.87
65: U1.65 U7.32 | length 351.6
  Top Layer w8: U1.65@-1381.89,-1157.52 -1381.89,-1263.66 -1306.53,-1339.02 U7.32@-1306.53,-1477.87
66: U1.66 U7.31 | length 356.5
  Top Layer w8: U1.66@-1362.2,-1157.52 -1362.2,-1251.45 -1275.04,-1338.61 U7.31@-1275.04,-1477.87
67: U1.67 U7.30 | length 361.3
  Top Layer w8: U1.67@-1342.52,-1157.52 -1342.52,-1240.47 -1243.54,-1339.45 U7.30@-1243.54,-1477.87
68: U1.68 U7.29 | length 366.2
  Top Layer w8: U1.68@-1322.83,-1157.52 -1322.83,-1230.43 -1212.05,-1341.22 U7.29@-1212.05,-1477.87
69: U1.69 U7.16 | length 1254.9
  Top Layer w8: U7.16@-1527.01,-1922.13 -1527.01,-1569.78 -1502.38,-1545.15 -1155.81,-1545.15 -1139.46,-1528.79 -1139.46,-1284.93 -1159.11,-1265.28 -1259.72,-1265.28 -1303.15,-1221.85 U1.69@-1303.15,-1157.52
70: U1.70 U7.17 | length 1252
  Top Layer w8: U7.17@-1495.51,-1922.13 -1495.51,-1597.8 -1471.13,-1573.41 -1141.74,-1573.41 -1116.74,-1548.41 -1116.74,-1262.85 -1136.09,-1243.5 -1252.96,-1243.5 -1283.46,-1212.99 U1.70@-1283.46,-1157.52
71: U1.71 U7.18 | length 1246
  Top Layer w8: U7.18@-1464.02,-1922.13 -1464.02,-1625.9 -1439.49,-1601.37 -1126.76,-1601.37 -1095,-1569.61 -1095,-1244.65 -1119.39,-1220.25 -1248.24,-1220.25 -1263.78,-1204.71 U1.71@-1263.78,-1157.52
72: U1.72 U7.19 | length 1246.3
  Top Layer w8: U7.19@-1432.52,-1922.13 -1432.52,-1662.52 -1400.83,-1630.83 -1104.49,-1630.83 -1071.86,-1598.2 -1071.86,-1180.69 -1095.03,-1157.52 U1.72@-1244.09,-1157.52
73: U1.73 U7.20 | length 1261.6
  Top Layer w8: U7.20@-1401.02,-1922.13 -1401.02,-1694.64 -1368.72,-1662.34 -1078.43,-1662.34 -1047.4,-1631.31 -1047.4,-1113.41 -1075.06,-1085.75 U1.73@-1172.32,-1085.75
74: U1.74 U7.21 | length 1293.6
  Top Layer w8: U7.21@-1369.53,-1922.13 -1369.53,-1730.8 -1335.13,-1696.4 -1060.27,-1696.4 -1022.63,-1658.76 -1022.63,-1094.89 -1051.45,-1066.06 U1.74@-1172.32,-1066.06
75: U1.75 U7.22 | length 1332.8
  Top Layer w8: U7.22@-1338.03,-1922.13 -1338.03,-1771.69 -1299.46,-1733.11 -1030.62,-1733.11 -997.74,-1700.23 -997.74,-1073.54 -1024.91,-1046.38 U1.75@-1172.32,-1046.38
76: U1.76 U7.23 | length 1374.6
  Top Layer w8: U7.23@-1306.53,-1922.13 -1306.53,-1801.13 -1274.61,-1769.22 -1007.68,-1769.22 -973.23,-1734.77 -973.23,-1051.14 -997.68,-1026.69 U1.76@-1172.32,-1026.69
77: U1.77 U7.24 | length 1417.1
  Top Layer w8: U7.24@-1275.04,-1922.13 -1275.04,-1834.75 -1243.72,-1803.43 -978.95,-1803.43 -947.61,-1772.09 -947.61,-1029.98 -970.58,-1007.01 U1.77@-1172.32,-1007.01
80: U1.80 U7.25 | length 1481.9
  Top Layer w8: U7.25@-1243.54,-1922.13 -1243.54,-1856.46 -1216.19,-1829.11 -949,-1829.11 -921.98,-1802.09 -921.98,-1003.2 -977.23,-947.95 U1.80@-1172.32,-947.95
83: U1.83 U7.26 | length 1582.6
  Top Layer w8: U7.26@-1212.05,-1922.13 -1212.05,-1868.36 -1199.58,-1855.89 -926.5,-1855.89 -897.84,-1827.23 -897.84,-914.9 -923.84,-888.9 U1.83@-1172.32,-888.9
88: U1.88
89: U1.89
90: U1.90
91: U1.91
100: U1.100
104: Q2.2 R36.1 U1.104 | length 1181.9
  Top Layer w8: U1.104@-1172.32,-475.51 -1041.58,-475.51 -998.96,-432.89 -998.96,-308.96 v1(-997.54,-307.54) ; R36.1@-712.61,-817.09 -712.29,-817.4 v1(-664.06,-817.4)
  Bottom Layer w8: v1(-997.54,-307.54) -710.34,-307.54 -695,-322.87 -695,-786.46 v1(-664.06,-817.4)
105: Q1.2 R33.1 U1.105 | length 1091.1
  Top Layer w8: U1.105@-1172.32,-455.83 -1124.89,-455.83 -1120.72,-460 -1053.06,-460 -1020.96,-427.9 v1(-1020.96,-291.03) ; R33.1@-712.97,-668.06 -712.31,-667.4 v1(-664.06,-667.4)
  Bottom Layer w8: v1(-1020.96,-291.03) -1010.8,-280.87 -679.33,-280.87 -664.06,-296.15 v1(-664.06,-667.4)
106: R29.2 R30.1 U1.106 | length 1554.5
  Top Layer w8: U1.106@-1172.32,-436.14 -1123.86,-436.14 -1114.85,-445.15 -1065.15,-445.15 -1043.93,-423.93 v1(-1043.93,-275.02) ; v1(-474.4,-734.52) R29.2@-439.4,-734.52
  Bottom Layer w8: v1(-1043.93,-275.02) -1024.23,-255.32 -650.66,-255.32 -635,-270.98 -635,-816.86 -616.04,-835.82 -490.74,-835.82 -474.4,-819.47 v1(-474.4,-734.52)
110: JP1.28 R42.2 U1.110 U8.6 U9.6 | length 3186.9
  Top Layer w8: U1.110@-1263.78,-325 -1263.05,-325.73 -1263.05,-368.48 -1247.92,-383.61 v1(-1247.39,-383.61) ; v1(-343.58,-1092.5) R42.2@-278.66,-1092.5 ; v1(-194.43,-1089.62) -194.43,-1044.43 -176.26,-1026.26 U9.6@-66.45,-1026.26
  Bottom Layer w8: v1(-1247.39,-383.61) -1247.39,-360.42 -1114.33,-227.36 -711.95,-227.36 -690,-205.42 -690,-30 JP1.28@-640,20 -590,-30 -125.97,-30 -62.92,-93.06 20,-175.97 20,-1030 -39.62,-1089.62 v1(-194.43,-1089.62) -195.87,-1091.06 -342.14,-1091.06 v1(-343.58,-1092.5)
111: U1.111
112: JP1.25 LCD1.5 U1.112 | length 3392.7
  Top Layer w8: U1.112@-1303.15,-325 -1302.42,-325.73 -1302.42,-364.62 v1(-1266.25,-400.79) ; JP1.25@-740,-80 -740,-125 -730.83,-134.17 -414.87,-134.17 -386.33,-105.64 v1(-271.26,-105.64)
  Bottom Layer w8: v1(-1266.25,-400.79) -1266.25,-353.75 -1266.69,-353.31 -1122.31,-208.94 -763.32,-208.94 -740,-185.62 JP1.25@-740,-80 ; LCD1.5@-505,-1439.76 -646.05,-1439.76 -667.08,-1418.74 -667.08,-1036.71 -651.99,-1021.61 -202.83,-1021.61 -180,-998.79 -180,-135 -209.36,-105.64 v1(-271.26,-105.64)
113: JP1.26 R41.2 U1.113 U8.5 U9.1 | length 3363.5
  Top Layer w8: U1.113@-1322.83,-325 -1322.11,-325.73 -1322.11,-369.53 -1290.27,-401.36 -1290.27,-413.77 v1(-1289.54,-414.51) ; v1(-343.58,-1142.5) R41.2@-278.66,-1142.5 ; v1(-163.58,-1141.3) -67.2,-1141.3 U9.1@-66.45,-1140.55
  Bottom Layer w8: v1(-1289.54,-414.51) -1289.54,-345.46 -1134.02,-189.95 -813.44,-189.95 -790,-166.51 -790,-30 JP1.26@-740,20 -690,70 -200,70 45,-175 45,-1116.25 19.95,-1141.3 v1(-163.58,-1141.3) -164.19,-1141.9 -342.98,-1141.9 v1(-343.58,-1142.5)
114: JP1.23 LCD1.6 U1.114 | length 3487
  Top Layer w8: U1.114@-1342.52,-325 -1341.79,-325.73 -1341.79,-372.34 -1314.71,-399.42 v1(-1314.71,-414.71) v1@-1315,-415 ; JP1.23@-840,-80 -840,-138.46 -820.77,-157.7 -407.76,-157.7 -375.07,-125 v1(-290,-125)
  Bottom Layer w8: v1(-1314.71,-414.71) -1314.71,-340.29 -1144.55,-170.13 -859.85,-170.13 -840,-150.28 JP1.23@-840,-80 ; LCD1.6@-505,-1467.32 -673.23,-1467.32 -695,-1445.55 -695,-1021.91 -673.47,-1000.39 -225.36,-1000.39 -203.22,-978.25 -203.22,-151.15 -229.36,-125 v1(-290,-125)
115: JP1.24 LCD1.4 U1.115 | length 3495.7
  Top Layer w8: U1.115@-1362.2,-325 -1362.2,-372.8 -1340,-395 v1(-1340,-415) ; JP1.24@-840,20 -790,-30 -346.75,-30 v1(-290.44,-86.31)
  Bottom Layer w8: v1(-1340,-415) -1340,-336.07 -1156.47,-152.54 -912.54,-152.54 -890,-130 -890,-40 -840,10 JP1.24@-840,20 ; LCD1.4@-505,-1412.2 -618.92,-1412.2 -638.8,-1392.32 -638.8,-1061.23 -618.53,-1040.96 -180.61,-1040.96 -159,-1019.35 -159,-115 -187.69,-86.31 v1(-290.44,-86.31)
119: JP1.21 Q3.1 R50.2 U1.119 | length 2890.4
  Top Layer w8: U1.119@-1440.94,-325 -1440.94,-195.94 -1425,-180 -951.74,-180 -940,-168.26 ; -940,-170.39 JP1.21@-940,-80 ; -940,-168.89 -927.63,-181.26 -398.17,-181.26 -360.77,-143.86 v1(-270.42,-143.86)
  Top Layer w11: v1(-732.6,-1040.94) -732.29,-1041.25 -676.07,-1041.25 R50.2@-675.76,-1041.56
  Bottom Layer w8: v1(-732.6,-1040.94) -732.6,-1002.6 -709.89,-979.89 -248.18,-979.89 -225.68,-957.39 -225.68,-162.69 -244.35,-144.03 -270.26,-144.03 v1(-270.42,-143.86)
120: JP1.22 LCD1.3 U1.120 | length 3523.1
  Top Layer w8: U1.120@-1460.63,-325 -1460.63,-280.63 -1455,-275 -1455,-185 -1430,-160 -1017.49,-160 -990,-132.51 -990,-30 JP1.22@-940,20 -890.66,69.34 -406.88,69.34 v1(-271.12,-66.43)
  Bottom Layer w8: LCD1.3@-505,-1384.65 -593.56,-1384.65 -611.5,-1366.7 -611.5,-1081.58 -591.78,-1061.87 -163.73,-1061.87 -139.22,-1037.36 -139.22,-95.78 -168.57,-66.43 v1(-271.12,-66.43)
121: JP1.19 U1.121 | length 626.6
  Top Layer w8: U1.121@-1480.31,-325 -1480.31,-275.32 -1470,-265 -1470,-170 -1440,-140 -1100,-140 JP1.19@-1040,-80
124: JP1.15 U1.124 | length 461.3
  Top Layer w8: U1.124@-1539.37,-325 v1(-1539.37,-263.11)
  Bottom Layer w8: v1(-1539.37,-263.11) -1381.78,-263.11 -1240,-121.34 JP1.15@-1240,-80
125: JP1.20 U1.125 | length 840.6
  Top Layer w8: U1.125@-1559.06,-325 -1558.87,-325.18 -1558.87,-390.81 v1@-1558.69,-390.99
  Bottom Layer w8: v1(-1558.69,-395) -1558.69,-338.69 -1545,-325 -1356.09,-325 -1166.09,-135 -1108.2,-135 -1089.47,-116.26 -1089.47,-29.47 JP1.20@-1040,20
126: JP1.18 U1.126 | length 678.4
  Top Layer w8: U1.126@-1578.74,-325 v1(-1578.74,-263.11)
  Bottom Layer w8: v1(-1578.74,-263.11) -1556.85,-285 -1372.7,-285 -1190,-102.3 -1190,-30 JP1.18@-1140,20
127: JP1.16 U1.127 | length 800
  Top Layer w8: v1(-1598.43,-395) U1.127@-1598.43,-325
  Bottom Layer w8: v1(-1598.43,-395) -1640.35,-353.07 -1640.35,-233.84 -1624.37,-217.86 -1399.42,-217.86 -1290,-108.44 -1290,-30 JP1.16@-1240,20
128: JP1.17 U1.128 | length 650.5
  Top Layer w8: U1.128@-1618.11,-325 v1(-1618.11,-263.11)
  Bottom Layer w8: v1(-1618.11,-263.11) -1576.22,-305 -1365,-305 JP1.17@-1140,-80
129: JP1.13 U1.129 | length 665.4
  Top Layer w8: U1.129@-1637.8,-325 -1637.8,-387.2 v1(-1630,-395)
  Bottom Layer w8: v1(-1630,-395) -1660,-365 -1660,-213.54 -1644.97,-198.51 -1419.27,-198.51 -1340,-119.24 JP1.13@-1340,-80
132: JP1.14 U1.132 | length 757.2
  Top Layer w8: U1.132@-1696.85,-325 -1696.85,-375.26 v1(-1680.24,-391.87)
  Bottom Layer w8: v1(-1680.24,-391.87) -1680.24,-195.18 -1664.68,-179.61 -1441.67,-179.61 -1390.14,-128.08 -1390.14,-30.14 JP1.14@-1340,20
133: JP1.11 U1.133 | length 629.4
  Top Layer w8: U1.133@-1716.54,-325 -1716.54,-382.25 -1709.15,-389.64 v1(-1709.15,-392.27)
  Bottom Layer w8: v1(-1709.15,-392.27) -1709.15,-183.09 -1688.57,-162.51 -1457.51,-162.51 -1440,-145 JP1.11@-1440,-80
135: JP1.12 U1.135 | length 780.3
  Top Layer w8: v1(-1775,-395) -1755.91,-375.91 U1.135@-1755.91,-325
  Bottom Layer w8: v1(-1775,-395) -1775,-160.96 -1759.04,-145 -1505.34,-145 -1490,-129.66 -1490,-30 JP1.12@-1440,20
136: JP1.9 U1.136 | length 623.2
  Top Layer w8: v1(-1805,-395) -1776.32,-366.32 -1776.32,-325.73 U1.136@-1775.59,-325
  Bottom Layer w8: v1(-1805,-395) -1805,-146.48 -1785.47,-126.95 -1586.95,-126.95 JP1.9@-1540,-80
137: JP1.10 U1.137 | length 549.7
  Top Layer w8: U1.137@-1795.28,-325 -1795.28,-206.4 -1777.17,-188.3 -1608.3,-188.3 -1590,-170 -1590,-30 JP1.10@-1540,20
138: JP1.7 U1.138 | length 399
  Top Layer w8: U1.138@-1814.96,-325 -1814.96,-190.8 -1796.39,-172.22 -1657.22,-172.22 -1640,-155 JP1.7@-1640,-80
141: JP1.8 U1.141 | length 522.5
  Top Layer w8: U1.141@-1874.02,-325 -1874.02,-175.03 -1855.59,-156.61 -1718.02,-156.61 -1690,-128.59 -1690,-30 JP1.8@-1640,20
142: JP1.5 U1.142 | length 353.3
  Top Layer w8: U1.142@-1893.7,-325 -1893.7,-157.48 -1877.68,-141.45 -1801.45,-141.45 JP1.5@-1740,-80
143: JP1.6 U1.143 | length 465.1
  Top Layer w8: U1.143@-1913.39,-325 -1913.39,-141.02 -1898.32,-125.96 -1815.96,-125.96 -1790,-100 -1790,-30 JP1.6@-1740,20
144: LED5.2 U1.144 | length 357.9
  Top Layer w8: LED5.2@-2094.74,-115 -2094.74,-301.57 -2071.32,-325 U1.144@-1933.07,-325